# Altium PCB Main.PcbDoc
Units mil, origin at the board's own origin, x right, y up, seen from the top; angles counter-clockwise.
Board outline 2775 x 3680 mil, 2 copper layers (Top Layer, Bottom Layer); 36 components, 27 nets, 122 pads, 52 vias.
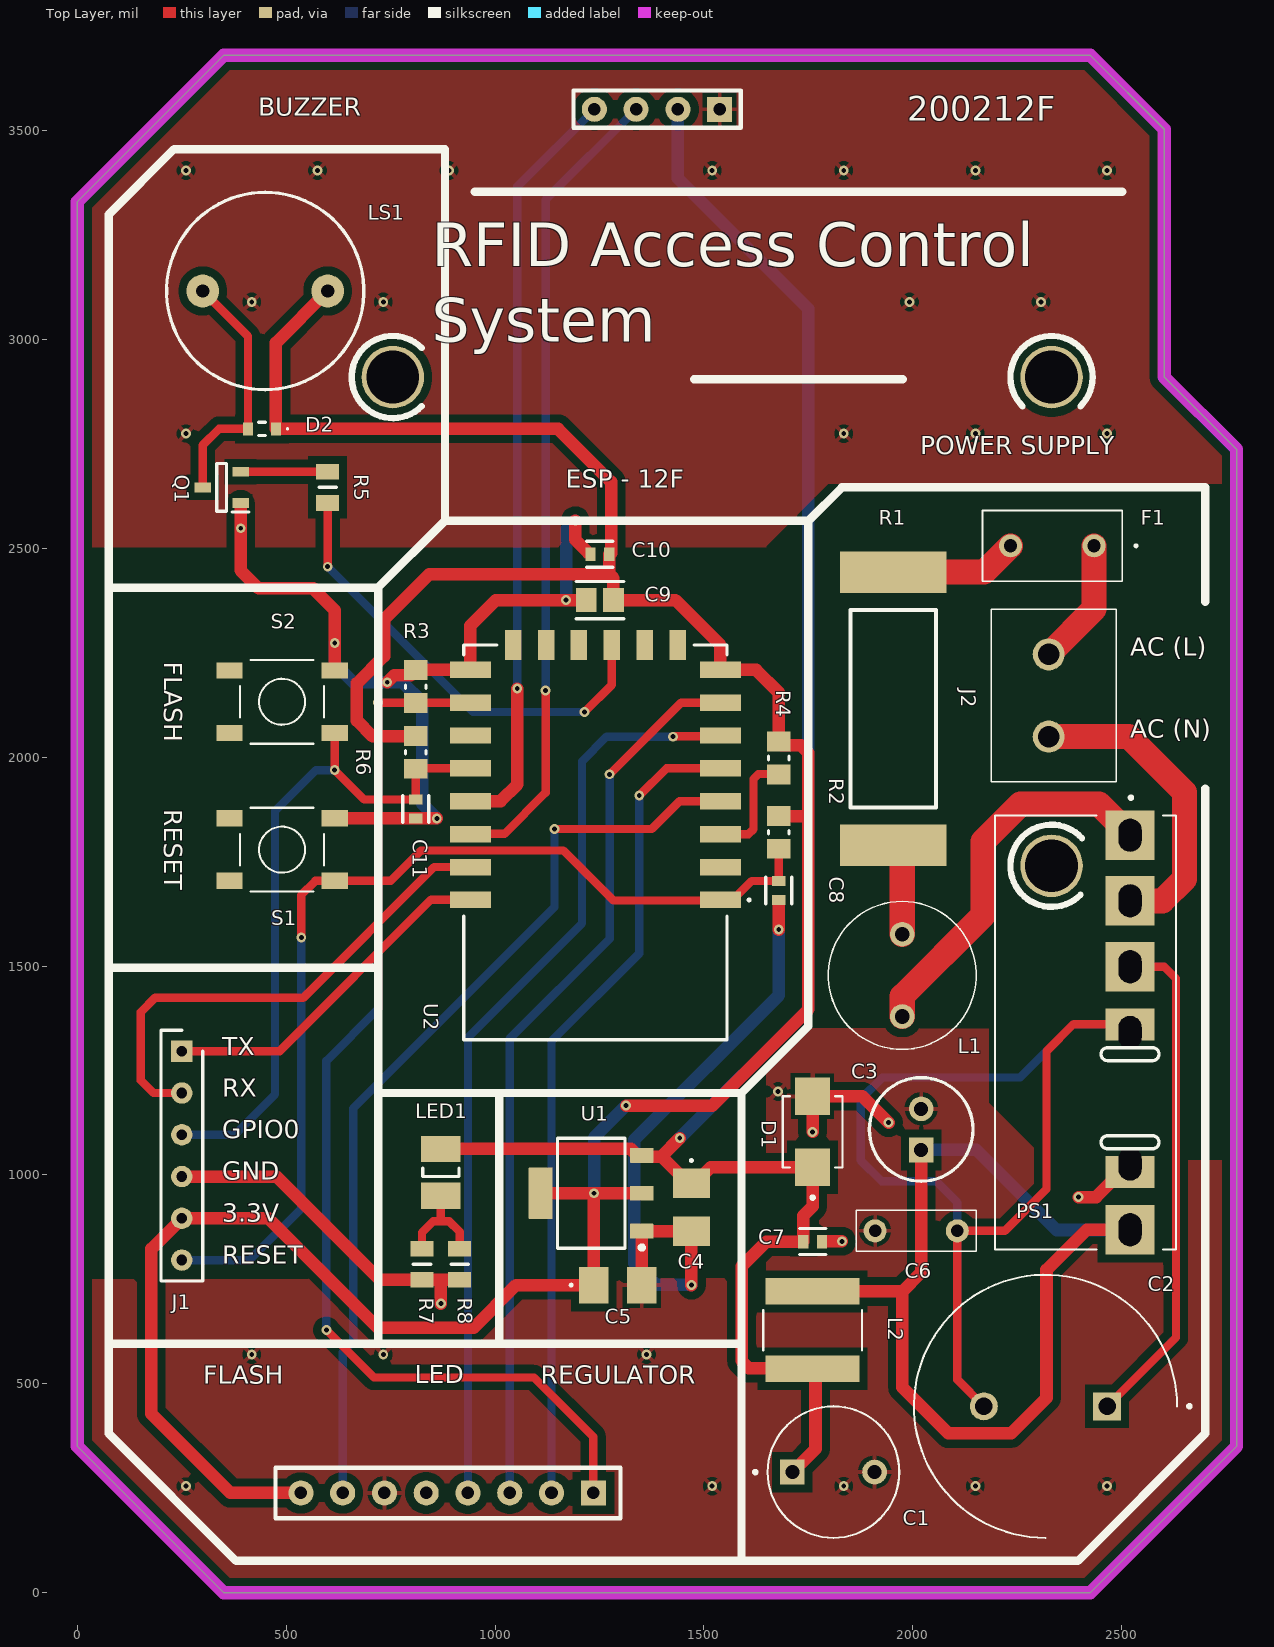
[diagram p0: Top Layer view]
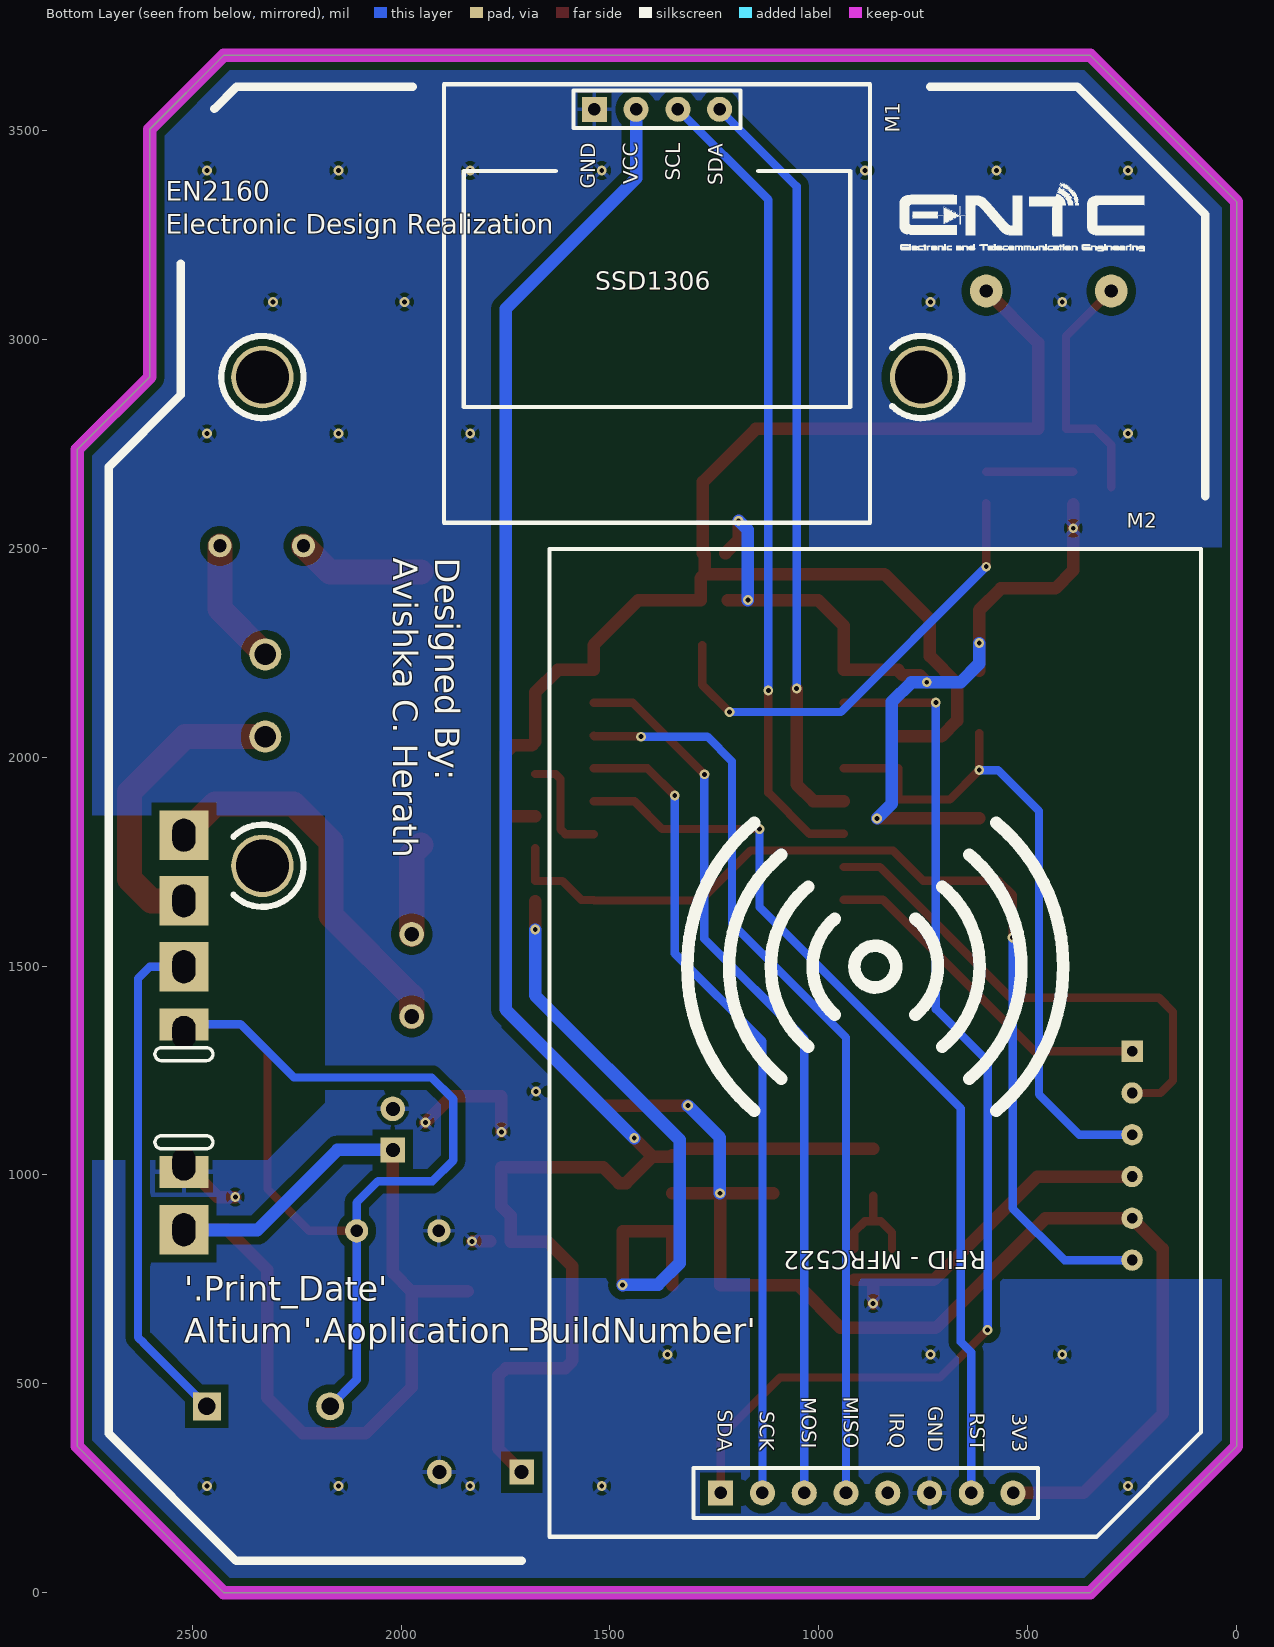
[diagram p1: Bottom Layer view, seen from below]
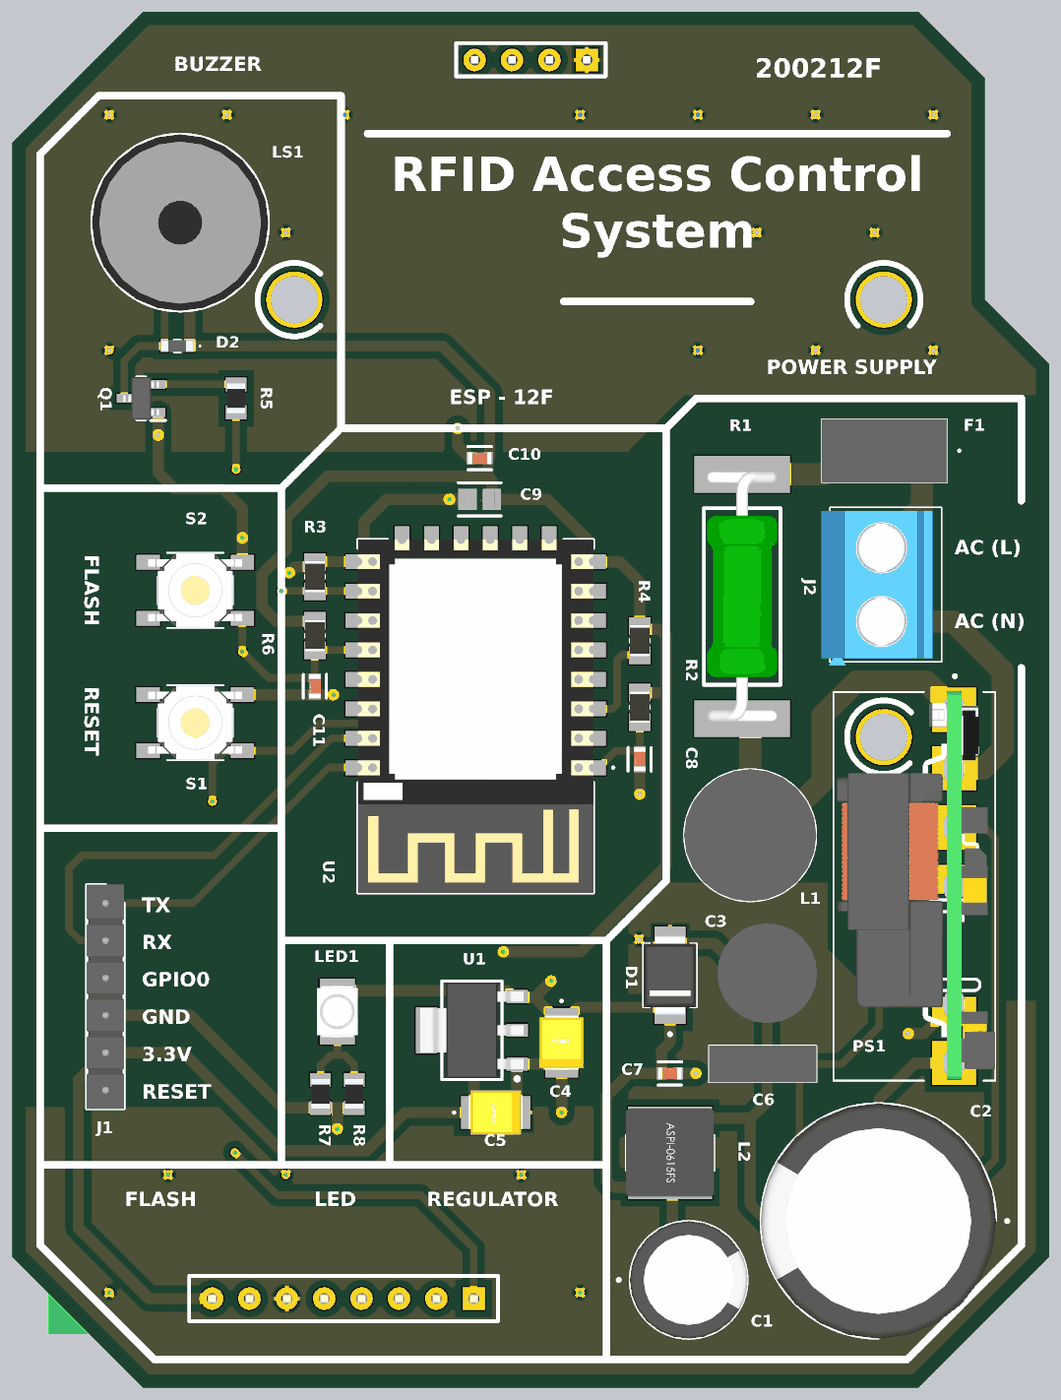
[diagram p2: 3D render of the assembled board from above, using the file's embedded part models]

## Layer stack, top to bottom
Top Solder: solder mask 0.4, Solder Resist, Dk 3.5
Top Layer: signal copper 1.4
Dielectric 1: dielectric 12.6, FR-4, Dk 4.8
Bottom Layer: signal copper 1.4
Bottom Solder: solder mask 0.4, Solder Resist, Dk 3.5

## Board outline
350,0 0,350 0,3330 350,3680 2425,3680 2602,3503 2602,2910 2775,2737 2775,350 2425,0

## Design rules (kind name [scope] priority, off if disabled: settings)
AcuteAngle [All] p1: minimum=7.50000000000000E+0001 checktracksonly=TRUE
Clearance [All] p1: gap=19.68 ignorepadtopadclearanceinfootprint=TRUE except(0: Arc-Hole Track-Hole SMDPad-Hole THPad-Hole Via-Hole Fill-Hole Poly-Hole Region-Hole Text-Hole; 5: Arc-Text Track-Text SMDPad-SMDPad SMDPad-THPad SMDPad-Text THPad-Text Via-Text Fill-Text Poly-Text Region-Text Text-Text; 7.87: Arc-SMDPad Track-SMDPad; 10: Arc-Via Track-Via Via-Via; 12.99: Arc-THPad Track-THPad; 39.37: Poly-Poly)
ComponentClearance IGNORE [InComponentClass('Bottom Side Components') vs InComponentClass('Top Side Components')] p1: gap=0 collisioncheckmode=3 verticalgap=100000 showdistances=FALSE
ComponentClearance ComponentClearance_1 [All] p2: gap=10 collisioncheckmode=3 verticalgap=10 showdistances=FALSE
HoleSize "Via Hole" [IsVia] p1: absolutevalues=TRUE maxlimit=23.62 minlimit=11.81 maxpercent=80.000 minpercent=20.000
HoleSize [All] p2: absolutevalues=TRUE maxlimit=248.03 minlimit=15.75 maxpercent=80.000 minpercent=20.000
HoleToHoleClearance [All] p1: gap=19.68 allowstackedmicrovias=TRUE
MinimumAnnularRing NPTH [InComponent('PS1')] p1: minimumring=0
MinimumAnnularRing Via [IsVia] p2: minimumring=5.51
MinimumAnnularRing [All] p3: minimumring=11.81
MinimumSolderMaskSliver [All] p1: minsoldermaskwidth=4.88
PolygonConnect [All] p1: thpad.connectstyle=Relief thpad.reliefconductorwidth=10 thpad.reliefentries=4 thpad.polygonreliefangle="90 Angle" thpad.airgapwidth=10 smdpad.connectstyle=Relief smdpad.reliefconductorwidth=10 smdpad.reliefentries=4 smdpad.polygonreliefangle="90 Angle" smdpad.airgapwidth=10 via.connectstyle=Relief via.reliefconductorwidth=10 via.reliefentries=4 via.polygonreliefangle="45 Angle" via.airgapwidth=10
RoutingVias [All] p1: holewidth=11.81 width=23.62 viastyle="Through Hole" minholewidth=11.81 minwidth=19.68 maxholewidth=28 maxwidth=50
SilkToSolderMaskClearance [IsPad] p1: minsilkscreentomaskgap=5 clearancetoexposedcopper=TRUE
SolderMaskExpansion [All] p1: expansion=4 istentingtop=FALSE
UnRoutedNet [All] p1: checkbadconnections=TRUE
Width AC [InNetClass('AC')] p1: maxlimit=60 minlimit=60 preferedwidth=60
Width V_out [InNetClass('V_out')] p2: maxlimit=30 minlimit=30 preferedwidth=30
Width [All] p3: maxlimit=30 minlimit=10 preferedwidth=20
24 further rules are at their usual default settings.

## Classes and differential pairs
net class V_out: +3.3V +5V NetC3_1
net class AC: "AC (L)" "AC (N)" NetF1_2 NetL1_1 NetL1_2

## Components (designator, comment, footprint, x,y, rotation, side; value= is the part's Value field where it differs from the comment)
C1 "150uF" CAPPRD500W60D800H1150 1810,288.52 r0 top
C2 "22uF" CAPPRD750W80D1600H2500 2317.64,446 r180 top
C3 "270uF" CAPPRD250W65D630H900 2020,1059.63 r90 top
C4 "10uF" T491B 1470,922.93 r270 top
C5 "10uF" T491B 1293.58,736 r0 top
C6 "1nF" B32529C8102J 2106.49,866 r180 top
C7 "0.1uF" FP-CL10-0_1-MFG 1760,840.41 r180 top value=100nF
C8 "0.1uF" FP-CL10-0_1-MFG 1679,1680.84 r270 top value=100nF
C9 "10uF" FP-CL21-IPC_B 1250.8,2376 r180 top
C10 "100nF" FP-CL10-0_1-MFG 1250.8,2486 r180 top
C11 "0.1uF" FP-CL10-0_1-MFG 810,1876 r270 top value=100nF
D1 "SMBJ7.0A" DIOM4336X265N 1760,1103.06 r90 top
D2 "RB501SM" RB501SM30FHT2R 441.76,2786 r270 top
F1 "1A" SS5H1AAPH 2433.96,2506 r180 top
J1 "FLASH" HDRV6W46P0X254_1X6_1524X254X452P 250,1296 r270 top
J2 "POWER" TB00250002BE 2325.3,2246 r270 top
L1 "1.2mH" RLB9012122KL 1974.6,1576 r270 top
L2 "4.7uH" IND_ASPI-0615FS-4R7M-T2 1760,628.52 r270 top
LED1 "BLUE - 3.2V" 3528 870,1006 r90 top
LS1 "MAGNETIC BUZZER" CMI1295IC0385T 300,3116 r270 top
M1 "SSD1306 OLED (128x64)" "SSD1306 OLED (128x64)-Footprint-1" 1387.5,3086 r180 bottom
M2 "RFID - RC522" "RFID - RC522-Footprint-1" 1235,238.54 r0 bottom
PS1 "PBO-3C-5" CONV_PBO-3C-5 2520,1340.96 r270 top
Q1 "BC848B" SOT95P240X120-3N 345.28,2646 r180 top
R1 "12R" WA84-12RJI-Footprint-1 1953.01,2116 r270 top
R2 "10K" RESC2013X60X35ML10T20 1679,1820 r270 top
R3 "10K" RESC2013X60X35ML10T20 810,2169.03 r90 top
R4 "10K" RESC2013X60X35ML10T20 1679,1998 r270 top
R5 "330R" RESC2012X60N 599.21,2646 r270 top
R6 "10K" RESC2013X60X35ML10T20 810,2011.55 r90 top
R7 "180R" RESC2012X60N 825,786 r90 top
R8 "180R" RESC2012X60N 915,786 r90 top
S1 "RESET" SW_PTS525SM15SMTR2LFS 490,1778.56 r180 top
S2 "FLASH" SW_PTS525SM15SMTR2LFS 490,2132.61 r180 top
U1 "LM1117-3.3" DCY0004A_L 1230,956 r180 top
U2 "ESP-12F" esp12f 1240,1796 r180 top

## Footprints (in the part's own frame and the unit in brackets; to place one, negate y for a bottom-side part, rotate by r counter-clockwise, add the part's x,y. Pads: shape width x height; smd on the part's side, far side on the other; paste and mask are expansions set on the pad)
3528 [mm] "Chip LED, 2-Leads, Body 3.5x2.8mm, IPC Medium Density"
  rect 1.6x2.4 smd: 1(-1.425,0) 2(1.425,0)
  silkscreen extent -0.25,-1.1 0.25,1.1, body extent -1.75,-1.4 1.75,1.4, height 1.85
B32529C8102J [mm]
  round 1.4 hole 0.75: 1(0,0) 2(5,0)
  silkscreen extent -1.15,-1.25 6.15,1.25, body extent -1.15,-1.25 6.15,1.25, height 6.6
CAPPRD250W65D630H900 [mm]
  rect 1.5x1.5 hole 0.85: 1(0,0)
  round 1.5 hole 0.85: 2(2.5,0)
  silkscreen extent -1.9,-3.15 4.4,3.15, body extent -2.14,-3.4 4.65,3.4, height 9
CAPPRD500W60D800H1150 [mm]
  round 1.5 hole 0.85: N(2.5,0)
  rect 1.5x1.5 hole 0.85: P(-2.5,0)
  silkscreen extent -4.85,-4 4,4, body extent -4,-3.99 4,3.99, height 11.5
CAPPRD750W80D1600H2500 [mm]
  round 1.7 hole 1.05: N(3.75,0)
  rect 1.7x1.7 hole 1.05: P(-3.75,0)
  silkscreen extent -8.85,-8 8,8, body extent -7.98,-7.99 8,7.99, height 25
CMI1295IC0385T [mm]
  round 2 hole 0.8: 1(0,0) 2(0,7.6)
  silkscreen extent -6,-2.2 6,9.8, body extent -5.99,-2.2 5.99,9.8, height 9.7
CONV_PBO-3C-5 [mm]
  rect 3x3 hole 1.4 slot 2 at 0 deg: 1(-12,0) 2(-8,0) 3(-4,0) 6(12,0)
  rect 0.3x0.3 smd paste-1 mask+0: 4(-1.3,0) 5(9.3,0)
  rect 1.935x3 hole 1.4 slot 2 at 0 deg unplated copper offset -0.483,0: 4(0,0)
  rect 0.3x0.3 smd far side paste-1 mask+0: 4_2(-1.3,0) 5_2(9.3,0)
  rect 1.935x3 hole 1.4 slot 2 at 0 deg unplated copper offset 0.483,0: 5(8,0)
  silkscreen extent -14.38,-8.2 13.2,2.8, body extent -13.28,-7.95 13.16,2.8, height 12.57
DCY0004A_L [mm] "SOT223, 4-Leads, Body 6.7x3.7mm, Pitch 2.3mm, IPC High Density"
  rrect11% 1.45x0.9 smd: 1(-3.075,2.3) 2(-3.075,0) 3(-3.075,-2.3)
  rrect7% 1.45x3.15 smd: 4(3.075,0)
  silkscreen extent -3.2,-3.35 2.05,3.42, body extent -3.5,-3.25 3.5,3.25, height 1.62
DIOM4336X265N [mm]
  rect 2.28x2.12 smd: A(2.165,0) C(-2.165,0)
  silkscreen extent -4.1,-1.81 2.16,1.81, body extent -2.72,-1.78 2.72,1.78, height 2.46
esp12f [mm]
  rect 2.5x1 smd: 1(-7.6,3.5) 2(-7.6,1.5) 3(-7.6,-0.5) 4(-7.6,-2.5) 5(-7.6,-4.5) 6(-7.6,-6.5) 7(-7.6,-8.5) 8(-7.6,-10.5) 15(7.6,-10.5) 16(7.6,-8.5) 17(7.6,-6.5) 18(7.6,-4.5) 19(7.6,-2.5) 20(7.6,-0.5) 21(7.6,1.5) 22(7.6,3.5)
  rect 1x1.8 smd: 9(-5,-12) 10(-3,-12) 11(-1,-12) 12(1,-12) 13(3,-12) 14(5,-12)
  silkscreen extent -9.4,-12 8,12, body extent -8,-12 8,12, height 3.1
FP-CL10-0_1-MFG [mm]
  rect 0.625x0.825 smd paste+0 mask+0: 1(-0.575,0) 2(0.575,0)
  silkscreen extent -0.8,-0.79 0.8,0.79, body extent -0.99,-0.55 0.99,0.55, height 0.25
FP-CL21-IPC_B [mil]
  rect 49.4x57.33 smd paste+0 mask+0: 1(-32.51,0) 2(32.51,0)
  silkscreen extent -57,-44 57,44, body extent -67,-39 67,39, height 10
HDRV6W46P0X254_1X6_1524X254X452P [mm]
  rect 1.3x1.3 hole 0.65: 1(0,0)
  round 1.3 hole 0.65: 2(2.54,0) 3(5.08,0) 4(7.62,0) 5(10.16,0) 6(12.7,0)
  silkscreen extent -1.27,-1.27 13.97,1.27, body extent -1.27,-1.27 13.97,1.27, height 4.52
IND_ASPI-0615FS-4R7M-T2 [mm]
  rect 1.6x5.7 smd: 1(-2.35,0) 2(2.35,0)
  silkscreen extent -1.23,-3 1.23,3, body extent -3,-3 3,3, height 1
RB501SM30FHT2R [mm]
  rect 0.8x0.6 smd: 1(0,0.85) 2(0,-0.85)
  silkscreen extent -0.4,-0.2 0.4,1.6, body extent -0.4,-1.09 0.4,1.09, height 0.7
RESC2012X60N [mm]
  rect 0.95x1.4 smd: 1(-0.95,0) 2(0.95,0)
  silkscreen extent 0,-0.53 0,0.53, body extent -1,-0.63 1,0.63, height 0.6
RESC2013X60X35ML10T20 [mm] "Chip Resistor, 2-Leads, Body 2.1x1.35mm, IPC Low Density"
  rect 1.2x1.45 smd: 1(-1,0) 2(1,0)
  silkscreen extent -0.1,-0.63 0.1,0.63, body extent -1.05,-0.68 1.05,0.67, height 0.6
"RFID - RC522-Footprint-1" [mil]
  rect 60x60 hole 30: 1(0,0)
  round 60 hole 30: 2(-100,0) 3(-200,0) 4(-300,0) 5(-400,0) 6(-500,0) 7(-600,0) 8(-700,0)
  silkscreen extent -1150,-2260 410,105, body extent -1138,-2251 400,95, height 311
RLB9012122KL [mm]
  round 1.5 hole 0.9: 1(0,0) 2(5,0)
  silkscreen extent -2,-4.5 7,4.5, body extent -2,-4.5 7,4.5, height 12.3
SOT95P240X120-3N [mm]
  rect 1x0.6 smd: 1(-1.15,0.95) 2(-1.15,-0.95) 3(1.15,0)
  silkscreen extent -1.65,-1.45 0.3,1.5, body extent -1.2,-1.45 1.2,1.45, height 1.2
SS5H1AAPH [mm]
  round 1.4 hole 0.8: 1(0,0) 2(5.08,0)
  silkscreen extent -2.6,-2.15 6.79,2.15, body extent -1.71,-2.15 6.79,2.15, height 8.65
"SSD1306 OLED (128x64)-Footprint-1" [mil]
  rect 60x60 hole 30: 1(-150,465)
  round 60 hole 30: 2(-50,465) 3(50,465) 4(150,465)
  silkscreen extent -510,-525 510,525, body extent -500,-516 500,516, height 398
SW_PTS525SM15SMTR2LFS [mm]
  rect 1.6x1 smd: 1(-3.2,1.9) 2(3.2,1.9) 3(-3.2,-1.9) 4(3.2,-1.9)
  silkscreen extent -2.55,-2.55 2.55,2.55, body extent -3.2,-2.55 3.2,2.55, height 1.6
T491B [mm]
  rect 1.8x2.23 smd: 1(-1.46,0) 2(1.46,0)
  silkscreen extent -2.88,-0.05 -2.78,0.05, body extent -1.85,-1.5 1.85,1.5, height 2.1
TB00250002BE [mm]
  round 1.95 hole 1.3: 1(0,0) 2(5,0)
  silkscreen extent -2.75,-3.5 7.75,4.1, body extent -2.51,-4.08 7.99,3.52, height 9.99
WA84-12RJI-Footprint-1 [mm]
  rect 2.5x6.5 smd: 1(-8.3,0) 2(8.3,0)
  silkscreen extent -6,-2.6 6,2.6, body extent -8.5,-2.4 8.5,2.4, height 6

## Part data
C1: library part EEUFR1V221B, "FR-A", Package=None, Availability=Unavailable, MF="{'manufacturer': u'Panasonic'}", MP=UHE1V151MPD1TD, Price=None
C2: library part EEUTP1E272B, "Aluminum Electrolytic Capacitors - Radial Leaded", Package=Bulk, Supplier Part Number 1=5201365, Availability=Unavailable, ComponentLink1Description=Mouser, ComponentLink1URL=https://www.mouser.com/ProductDetail/Nichicon/UVR2W220MHD?qs=%252BlpsHQzXjw%2F%252B5drQqN1W8w%3D%3D, MF=Nichicon, MP=UVR2W220MHD, Price=None, Supplier 1=Rs
C3: library part 6SEPC560MW+TSS, "Aluminum Organic Polymer Capacitors", Manufacturer_Name=KEMET, Manufacturer_Part_Number=A750EM277M1CAAE015, Mouser Part Number=667-6SEPC560MW+TSS, Arrow Part Number=6SEPC560MW+TSS, Arrow Price/Stock=https://www.arrow.com/en/products/6sepc560mwtss/panasonic?region=nac, Datasheet Link=http://industrial.panasonic.com/cdbs/www-data/pdf/AAB8000/AAB8000C247.pdf, Height=9mm, Mouser Price/Stock=https://www.mouser.co.uk/ProductDetail/Panasonic/6SEPC560MW%2bTSS?qs=OE1iw1LrrPGkg%2Fufb0Bk8Q%3D%3D
C4 C5: library part T491B106M010AT, "Capacitor Polarised", Manufacturer_Name=KEMET, Mouser Part Number=80-T491B106M010, Arrow Part Number=T491B106M010AT, Arrow Price/Stock=https://www.arrow.com/en/products/t491b106m010at/kemet-corporation?region=nac, Datasheet Link=https://content.kemet.com/datasheets/KEM_T2005_T491.pdf, Height=2.1mm, Manufacturer_Part_Number=T491B106M010AT
C6: library part B32529C8102J, "Capacitor", Manufacturer_Name=TDK, Mouser Part Number=871-B32529C8102J, Datasheet Link=https://componentsearchengine.com/Datasheets/1/B32529C8102J.pdf, Height=6.5mm, Manufacturer_Part_Number=B32529C8102J, Mouser Price/Stock=https://www.mouser.co.uk/ProductDetail/EPCOS-TDK/B32529C8102J?qs=CveI%2FUwZDBKgVtfngCVMDw%3D%3D
C7 C8 C11: library part CMP-13271-000011-1, "CAP CER 0.1UF 50V X7R 0603", Capacitance=100nF, Manufacturer="Samsung Electro-Mechanics America, Inc", Manufacturer Part Number=CL10B104JB8NNNC, Package=CL10-0.1, Temperature="-55°C to +125°C", Temperature Characteristic=X7R, Temperature Coefficient=15%, Temperature Range High=+125°C, Temperature Range Low=-55°C, Tolerance=5%, Voltage Rating=50V, Automotive=No, Category=Cap, ComponentLink2Description=Datasheet, ComponentLink2URL=http://www.samsungsem.com/kr/support/product-search/mlcc/__icsFiles/afieldfile/2019/06/18/CL10B104JB8NNNC-19.pdf, Device Class L1="Passive Components", Device Class L2=Capacitors, Device Class L3="Ceramic Capacitors", Digikey Description="CAP CER 0.1UF 50V X7R 0603", Height=0.9mm, Ipc Land Pattern Name=CAPC16080X80, Lead Free=Yes, Material=Ceramic, Octopart=https://octopart.com/cl10b104jb8nnnc-samsung-9302151, RoHS=TRUE
C9: library part CMP-2000-06102-2, "CL21 Series 0805 10uF 16V ±10% Tolerance X5R Multilayer Ceramic Chip Capacitor", Case Code (Imperial)=0805, Case Code (Metric)=2012, Dielectric=X7R, Max Operating Temperature=85°C, Min Operating Temperature=-55°C, Package Quantity=1, Tolerance=10%, Voltage=16V, Capacitance=10uF, Case/Package=0805, Depth=1.25mm, Height=1.25mm, Lead Free="Lead Free", Length=2mm, Mount="Surface Mount", Packaging="Tape and Reel", Radiation Hardening=No, Thickness=0.055inch, Voltage Rating=16V, Voltage Rating (DC)=16V, Width=0.049inch
C10: library part CMP-13271-000011-1, "CAP CER 0.1UF 50V X7R 0603", Manufacturer="Samsung Electro-Mechanics America, Inc", Manufacturer Part Number=CL10B104JB8NNNC, Package=CL10-0.1, Temperature="-55°C to +125°C", Temperature Characteristic=X7R, Temperature Coefficient=15%, Temperature Range High=+125°C, Temperature Range Low=-55°C, Tolerance=5%, Voltage Rating=50V, Automotive=No, Capacitance=100nF, Category=Cap, ComponentLink2Description=Datasheet, ComponentLink2URL=http://www.samsungsem.com/kr/support/product-search/mlcc/__icsFiles/afieldfile/2019/06/18/CL10B104JB8NNNC-19.pdf, Device Class L1="Passive Components", Device Class L2=Capacitors, Device Class L3="Ceramic Capacitors", Digikey Description="CAP CER 0.1UF 50V X7R 0603", Height=0.9mm, Ipc Land Pattern Name=CAPC16080X80, Lead Free=Yes, Material=Ceramic, Octopart=https://octopart.com/cl10b104jb8nnnc-samsung-9302151, RoHS=TRUE
D1 PS1: Package=None, Availability=Unavailable, Price=None
  D1: MF="{'manufacturer': u'Littelfuse'}", MP=SMBJ7.0A
  PS1: MF="{'manufacturer': u'CUI'}", MP=PBO-3C-5
D2: library part RB501SM-30FHT2R, "Schottky Diode", Manufacturer_Name="ROHM Semiconductor", Mouser Part Number=755-RB501SM-30FHT2R, Datasheet Link=https://fscdn.rohm.com/en/products/databook/datasheet/discrete/diode/schottky_barrier/rb501sm-30fht2r-e.pdf, Height=0.6mm, Manufacturer_Part_Number=RB501SM-30FHT2R, Mouser Price/Stock=https://www.mouser.co.uk/ProductDetail/ROHM-Semiconductor/RB501SM-30FHT2R?qs=4v%252BiZTmLVHEIefGC27iswg%3D%3D
F1: library part CMP-018-000000-1, "Fuse", Arrow Part Number=SS-5H-1A-APH, Manufacturer_Name=Eaton, Mouser Part Number=504-SS-5H-1A-APH, Arrow Price/Stock=https://www.arrow.com/en/products/ss-5h-1a-aph/eaton?region=nac, Component Type=Standard, Datasheet Link=https://www.eaton.com/content/dam/eaton/products/electronic-components/resources/data-sheet/eaton-ss-5h-subminiature-radial-leaded-time-delay-fuses-data-sheet.pdf, Design Item ID=SS-5H-1A-APH, Height=8.55mm, Manufacturer_Part_Number=SS-5H-1A-APH, Mouser Price/Stock=https://www.mouser.co.uk/ProductDetail/Bussmann-Eaton/SS-5H-1A-APH?qs=uEhifBLpbD3ldHjMqFUUYA%3D%3D, Pin Count=2, Source=SamacSys.SchLib
J1: library part BBL-106-T-E, "Connector", Manufacturer_Name=SAMTEC, Mouser Part Number=200-BBL106TE, Arrow Part Number=BBL-106-T-E, Arrow Price/Stock=https://www.arrow.com/en/products/bbl-106-t-e/samtec, Datasheet Link=http://suddendocs.samtec.com/prints/bxx-1xx-x-x-x-mkt1.pdf, Height=4.52mm, Manufacturer_Part_Number=BBL-106-T-E, Mouser Price/Stock=https://www.mouser.co.uk/ProductDetail/Samtec/BBL-106-T-E?qs=0lQeLiL1qyYej%252Bsd3XrHJA%3D%3D
J2: library part TB002-500-02BE, "Connector", Manufacturer_Name="CUI Devices", Mouser Part Number=490-TB002-500-02BE, Arrow Part Number=TB002-500-02BE, Arrow Price/Stock=https://www.arrow.com/en/products/tb002-500-02be/cui-devices?region=nac, Datasheet Link=https://eu.mouser.com/datasheet/2/670/tb002_500-1550579.pdf, Height=10.4mm, Manufacturer_Part_Number=TB002-500-02BE, Mouser Price/Stock=https://www.mouser.co.uk/ProductDetail/CUI-Devices/TB002-500-02BE?qs=vLWxofP3U2x9716kcgva%2Fw%3D%3D
L1: library part RLB9012-122KL, "Inductor", Manufacturer_Name=Bourns, Mouser Part Number=652-RLB9012-122KL, Arrow Part Number=RLB9012-122KL, Arrow Price/Stock=https://www.arrow.com/en/products/rlb9012-122kl/bourns?region=nac, Datasheet Link=https://datasheet.datasheetarchive.com/originals/dk/DKDS-12/225018.pdf, Height=12.2mm, Manufacturer_Part_Number=RLB9012-122KL, Mouser Price/Stock=https://www.mouser.co.uk/ProductDetail/Bourns/RLB9012-122KL?qs=dB0LedT%252BmmC%2Fvhpfl8NA4g%3D%3D
L2: library part ASPI-0615FS-4R7M-T2, Package=None, Availability=Unavailable, MF="{'manufacturer': u'Abracon'}", MP=ASPI-0615FS-4R7M-T2, Price=None
LED1: library part CMP-1429-00005-1, "SMD mono-color Top LED, WL-SMTW, Blue", Color=Blue, Manufacturer="Wuerth Elektronik", PartNumber=150141BS73100, ComponentLink1Description="Manufacturer URL", ComponentLink1URL=http://www.we-online.com, ComponentLink2Description=Datasheet, ComponentLink2URL=http://katalog.we-online.com/led/datasheet/150141BS73100.pdf, PackageReference=3528
LS1: library part CMI-1295IC-0385T, "Loudspeaker or Buzzer", Manufacturer_Name="CUI Devices", Mouser Part Number=490-CMI-1295IC-0385T, Arrow Part Number=CMI-1295IC-0385T, Arrow Price/Stock=https://www.arrow.com/en/products/cmi-1295ic-0385t/cui-devices?region=nac, Datasheet Link=https://www.arrow.com/en/products/cmi-1295ic-0385t/cui-devices, Height=9.7mm, Manufacturer_Part_Number=CMI-1295IC-0385T, Mouser Price/Stock=https://www.mouser.co.uk/ProductDetail/CUI-Devices/CMI-1295IC-0385T?qs=OlC7AqGiEDk2g42uzfEhlg%3D%3D
M1: library part CMP-00026-00001-2, "The OLED display module is a small 0.96\" diagonal display made of individual blue OLED pixels that can be turned on or off by the controller chip. It does not require a backlight and is compatible with I2C communication through the SSD1306 driver chip.", Dimension="27.8 x27.3x 4.3 mm", Interface=I2C, Number of Pixels="128 × 64", Size="0.96\""
M2: library part CMP-00025-00003-1, "A 13.56MHz RF reader module, which use the RC522 IC, plus 2 S50 RFID cards to help you learn and add the 13.56 MHz RF transition to your project.", Operating Frequency="13.56 MHz", Dimensions=40mm×60mm, IC=MFRC522, Interface=I2C,SPI,UART
Q1: library part BC848BHZGT116, "Transistor BJT NPN", Manufacturer_Name="ROHM Semiconductor", Mouser Part Number=755-BC848BHZGT116, Datasheet Link=https://componentsearchengine.com/Datasheets/2/BC848BHZGT116.pdf, Height=1.2mm, Manufacturer_Part_Number=BC848BHZGT116, Mouser Price/Stock=https://www.mouser.co.uk/ProductDetail/ROHM-Semiconductor/BC848BHZGT116?qs=zGux8KhMp6JnZZvroKxywg%3D%3D
R1: library part CMP-009-00177-4, "Through Hole Wirewound Resistor, Wa80 Series, 12 Ohm, 3 W, - 5%, 100 V, Axial Leaded Rohs Compliant: Yes", Case/Package=Axial, Body Diameter=5.2mm, Body Length=14.5mm, Lead Diameter=0.8mm, Lead Length=24.55mm
R2 R3 R4 R6: library part CMP-009-00179-1, "Res Thick Film 0805 10K Ohm 1% 0.125W(1/8W) +/-100ppm/C Epoxy Pad SMD T/R"
R5: library part RC0805FR-07330RL, "Resistor", Manufacturer_Name=KEMET, Mouser Part Number=603-RC0805FR-07330RL, Datasheet Link=http://www.yageo.com/documents/recent/PYu-RC_Group_51_RoHS_L_10.pdf, Height=0.6mm, Manufacturer_Part_Number=RC0805FR-07330RL, Mouser Price/Stock=https://www.mouser.com/Search/Refine.aspx?Keyword=603-RC0805FR-07330RL
R7 R8: library part RC0805FR-07180RL, "Resistor", Manufacturer_Name=KEMET, Mouser Part Number=603-RC0805FR-07180RL, Arrow Part Number=RC0805FR-07180RL, Arrow Price/Stock=https://www.arrow.com/en/products/rc0805fr-07180rl/yageo, Datasheet Link=http://www.yageo.com/documents/recent/PYu-RC_Group_51_RoHS_L_10.pdf, Height=0.6mm, Manufacturer_Part_Number=RC0805FR-07180RL, Mouser Price/Stock=https://www.mouser.co.uk/ProductDetail/Yageo/RC0805FR-07180RL/?qs=fRxXYNj8ftG7jMu9i6mDhQ%3D%3D
S1 S2: library part CMP-035-000000-1, "Tactile Switch SPST-NO Top Actuated Surface Mount", Package="Tactile Switch CK", Availability="In Stock", Check_prices=https://www.snapeda.com/parts/PTS525SM15SMTR2%20LFS/C%2526K/view-part/?ref=eda, Component Type=Standard, Design Item ID=PTS525SM15SMTR2LFS, MF=C&K, MP="PTS525SM15SMTR2 LFS", Pin Count=4, Price=None, Purchase-URL="https://pricing.snapeda.com/search/part/PTS525SM15SMTR2 LFS/?ref=eda", SnapEDA_Link=https://www.snapeda.com/parts/PTS525SM15SMTR2%20LFS/C%2526K/view-part/?ref=snap, Source=PTS525SM15SMTR2LFS.SchLib
U1: library part CMP-0062-01639-4, "800mA Low-Dropout Linear Regulator, 4-pin SOT-223, Pb-Free", Manufacturer="Texas Instruments", PackageTopMarking=XYTT*N05A, PartNumber=LM1117MPX-3.3/NOPB, PowerWise=N, Code_IPC=SOT223-4, Code_JEDEC=TO-261-AA, ComponentLink1Description="Datasheet URL", ComponentLink1URL=http://www.ti.com/general/docs/lit/getliterature.tsp?genericPartNumber=LM1117-N&fileType=pdf, CompType="LDO IC", High-Reliability=Y, PackageDescription="Molded SOT-223, 6.50 x 3.56 x 1.6mm Body, 4 Lead, 2.3mm Pitch", PackageReference=DCY0004A, PinCount=4, RoHS=Y
U2: "Integrated Circuit", Manufacturer_Name=Ai-Thinker, Datasheet Link=https://docs.ai-thinker.com/_media/esp8266/docs/esp-12f_product_specification_en.pdf, Height=3.1mm, Manufacturer_Part_Number=ESP-12F

## Free pads (board coordinates)
  round 149.61 hole 125.98: H1(755,2910) H2(2332,2910) H3(2332,1740)

## Via types
v1: diameter 23.62, hole 11.81, Top Layer to Bottom Layer, 52 vias

## Nets (pads, with @x,y where several pads share a name; then routed paths per layer and width w, separated by ;. In a path a pad name is that pad's centre, name@x,y a point inside that pad or via, vN(x,y) a via of type N, cw(c..) or ccw(c..) an arc to the next point about the centre after c; other vN are vias at no path point)
+3.3V: C5.1 C9.1 C10.1 D2.1 J1.5 LS1.2 M2.8 R2.1 R4.1 R6.2 U1.2 U1.4 U2.8 | length 7248.5
  Top Layer w30: M2.8 366.46,238.54 177,428 177,823 J1.5 458,896 720,634 948.33,634 1050.33,736 C5.1 1236.1,955.1 v1(1237,956) ; LS1.2 475.23,2992.02 D2.1 1151,2786 1277.68,2659.32 1277.68,2488.8 1274.89,2486 C10.1 ; R6.2@810,2049.94 809.94,2050 706.81,2050 669,2087.81 669,2176.9 734,2241.9 734,2329 842.92,2437.92 1273.43,2437.92 ; U1.4 v1(1237,956) ; C10.1@1273.43,2483.17 1273.43,2437.92 ; C9.1@1283.31,2375.89 1431.75,2375.89 1539.21,2268.43 U2.8 1539.6,2209 1625,2209 1679,2155 1679,2036.39 1687.3,2028.09 1732.43,2028.09 1750,2010.51 1750,1860 ; C9.1 1283,2376.31 1283,2428.35 1273.43,2437.92 ; v1(1313.57,1165.86) 1519.86,1165.86 1750,1396 1750,1860 ; U1.2 v1(1237,956) ; R2.1@1679,1858.39 1748.39,1858.39 1750,1860
  Bottom Layer w30: v1(1237,956) 1237,1089.29 v1(1313.57,1165.86)
+5V: C1.P C4.1 C7.2 D1.C L2.2 LED1.2 M1.2 U1.3 | length 4752.4
  Top Layer w30: LED1.2 1324.69,1062.1 1340.24,1046.55 U1.3 1353.78,1043.83 1398.11,1043.83 ; v1(1442,1088) 1442,1087.72 1398.11,1043.83 ; C1.P 1767,343.94 1767,519.5 1749.5,537 1607.57,537 1590,554.57 1590,781 1649.41,840.41 C7.2 1737.36,902.13 1760,924.77 D1.C 1515.88,1017.83 1478.46,980.41 C4.1 1461.54,980.41 1398.11,1043.83
  Bottom Layer w30: M1.2 1437.5,3385.5 1750,3073 1750,1396 v1(1442,1088)
"AC (L)": F1.1 J2.1 | length 305
  Top Layer w60: J2.1 2433.96,2354.66 F1.1
"AC (N)": J2.2 PS1.2 | length 739
  Top Layer w60: J2.2 2516.85,2049.15 2650,1916 2650,1708.68 2597.25,1655.92 PS1.2
GND: C1.N C3.2 C4.2 C5.2 C6.2 C7.1 C8.2 C9.2 C10.2 C11.2 D1.A J1.4 M1.1 M2.6 PS1.5 PS1.5_2 Q1.1 R3.2 R7.1 R8.1 S1.3 S2.3 U1.1 U2.15 | length 5170.9
  Top Layer w30: J1.4 477,996 724.4,748.6 R7.1 870,748.6 ; Q1.1@391,2605.41 v1(391,2548) 391,2447 434,2404 564,2404 616,2352 v1(616,2273) S2.3 ; S1.3 C11.2 ; v1(741.68,2179.32) 758.2,2195.84 798.43,2195.84 R3.2@810,2207.42 ; R3.2@810,2209.39 U2.15 940.79,2314.79 1002,2376 v1(1170,2376) ; C11.2@811.24,1853.41 v1(860.41,1853.41) ; v1(870,692) 870,748.6 ; R8.1 870,748.6 ; v1@1171,2376 C9.2 ; v1(1192,2566) 1192,2520 C10.2@1223.5,2488.5 ; C5.2 U1.1 C4.2 v1(1470,736) ; v1(1679,1587) C8.2@1679,1655.51 ; v1(1760,1103) D1.A 1878.7,1188.3 v1(1942,1125) ; C7.1@1787.13,841 v1(1830,841) ; v1(2397,947) 2439.03,947 2518.03,1026 PS1.5@2520,1026
  Bottom Layer w30: v1(616,2273) 616,2224 660.68,2179.32 v1(741.68,2179.32) 778.68,2179.32 825,2133 825,1888.82 v1(860.41,1853.41) ; v1(1170,2376) 1170,2544 v1(1192,2566) ; v1(1470,736) 1469,737 1385,737 1333,789 1333,1084 1679,1430 v1(1679,1587)
  other v1: 259.84,254.84 1519.68,254.84 1834.65,254.84 2149.61,254.84 2464.57,254.84 417.32,569.8 732.28,569.8 1362.2,569.8 1677.17,1199.72 259.84,2774.53 1834.65,2774.53 2149.61,2774.53 2464.57,2774.53 417.32,3089.49 732.28,3089.49 1992.13,3089.49 2307.09,3089.49 259.84,3404.45 574.8,3404.45 889.76,3404.45 1519.68,3404.45 1834.65,3404.45 2149.61,3404.45 2464.57,3404.45
GPIO0: C11.1 J1.3 R6.1 S2.1 U2.18 | length 1642.2
  Top Layer w20: S2.1 v1(615.98,1969.02) 686.36,1898.64 C11.1 810,1973.17 U2.18
  Bottom Layer w20: J1.3 376.35,1096 473,1192.65 473,1871 571.02,1969.02 v1(615.98,1969.02)
GPIO4: M1.4 U2.19 | length 1821.4
  Top Layer w30: U2.19 941.24,1894.88 1012.88,1894.88 1053,1935 v1(1053,2164)
  Bottom Layer w20: v1(1053,2164) 1053,3366.5 M1.4
GPIO5: M1.3 U2.20 | length 1946.8
  Top Layer w20: U2.20@940.79,1816.31 1022.31,1816.31 1121,1915 v1(1121,2160)
  Bottom Layer w20: v1(1121,2160) 1121,3334.5 M1.3
GPIO9: R5.2 U2.11 | length 1099.1
  Top Layer w20: v1(599.23,2455.94) R5.2 ; v1(1214,2108) 1279.37,2173.37 U2.11
  Bottom Layer w20: v1(599.23,2455.94) 947.16,2108 v1(1214,2108)
GPIO12: M2.4 U2.6 | length 2221.4
  Top Layer w20: v1(1426,2049) 1427.45,2050.45 1537.76,2050.45 U2.6
  Bottom Layer w20: M2.4 935,1329 1208,1602 1208,1990 1267,2049 v1(1426,2049)
GPIO13: M2.3 U2.7 | length 2155.8
  Top Layer w20: v1(1274,1959) 1445.65,2130.65 U2.7
  Bottom Layer w20: M2.3 1035,1326 1274,1565 v1(1274,1959)
GPIO14: M2.2 U2.5 | length 1977.7
  Top Layer w20: v1(1345,1908) 1410.17,1973.17 U2.5
  Bottom Layer w20: M2.2 1135,1320 1345,1530 v1(1345,1908)
GPIO15: M2.1 R3.1 U2.16 | length 2653.3
  Top Layer w20: v1(596,629) 710,515 1093,515 1235,373 M2.1 ; v1(720,2130.65) 810,2130.65 U2.16
  Bottom Layer w20: v1(596,629) 596,1272.89 720,1396.89 v1(720,2130.65)
GPIO16: M2.7 U2.4 | length 2224.2
  Top Layer w20: v1(1142,1828) 1375,1828 1441.43,1894.43 U2.4
  Bottom Layer w20: M2.7 635,575 660,600 660,1159 1142,1641 v1(1142,1828)
NetC2_N: C2.N C6.1 PS1.4 PS1.4_2 | length 2927.7
  Top Layer w20: C2.N 2106.49,509.51 C6.1 2220,866 2320,966 2320,1296 2385,1361 2499.96,1361 PS1.4@2520,1340.96
  Bottom Layer w20: C2.N 2106.49,509.51 C6.1 2106.49,933.51 2055,985 1925,985 1875,1035 1875,1181 1927,1233 2257,1233 2385,1361 2499.96,1361 PS1.4@2520,1340.96
NetC2_P: C2.P PS1.3 | length 2428
  Top Layer w20: C2.P 2630,610.72 2630,1470 2601.56,1498.44 PS1.3
  Bottom Layer w20: C2.P 2616,596.72 2616,597 2630,611 2630,1470 2601.56,1498.44 PS1.3
NetC3_1: C3.1 L2.1 PS1.6 | length 2273.9
  Top Layer w30: L2.1@1840,721.04 1974.96,721.04 ; C3.1 2020,766.08 1974.96,721.04 ; PS1.6 2415.94,868.52 2320,772.57 2320,466 2235,381 2085,381 1974.96,491.04 1974.96,721.04
  Bottom Layer w30: C3.1 2152.37,1059.63 2344,868 2519.48,868 PS1.6
NetD2_2: D2.2 LS1.1 Q1.3 | length 600.3
  Top Layer w20: Q1.3 300,2747 339,2786 D2.2 408.3,3007.7 LS1.1
NetF1_2: F1.2 R1.1 | length 307.1
  Top Layer w60: R1.1 2170.73,2442.77 F1.2
NetL1_1: L1.1 R1.2 | length 222.2
  Top Layer w60: R1.2 1974.6,1767.64 L1.1
NetL1_2: L1.2 PS1.1 | length 919.1
  Top Layer w60: L1.2 1974.6,1427.6 2168,1621 2168,1798 2258,1888 2445.4,1888 PS1.1
NetLED1_1: LED1.1 R7.2 R8.2 | length 246.8
  Top Layer w20: R7.2 825,862 850,887 ; 852,889 870,889 ; LED1.1 870,889 ; R8.2 915,862 ; 915,864 890,889 870,889
NetQ1_2: Q1.2 R5.1 | length 208.7
  Top Layer w20: Q1.2 R5.1
NetR4_2: R4.2 U2.3 | length 270
  Top Layer w20: U2.3 1606.74,1815.68 1618.46,1827.4 1618.46,1947.9 1630.17,1959.61 R4.2@1679,1959.61
RST: C8.1 J1.6 R2.2 S1.1 U2.1 | length 2420.7
  Top Layer w20: v1@535.76,1568.24 535.76,1669.76 569.47,1703.47 ; 569.47,1703.76 S1.1@615.5,1703.76 ; S1.1 749.76,1703.76 822.63,1776.63 1163.37,1776.63 1283,1657 1538.01,1657 U2.1 1568.74,1658.2 1614.02,1703.48 C8.1 R2.2@1679,1781.61
  Bottom Layer w20: J1.6 412,796 536,920 v1(536,1568)
RX: J1.2 U2.21 | length 1206.9
  Top Layer w20: J1.2 182,1196 152,1226 152,1390 186,1424 541,1424 853.94,1736.94 U2.21
TX: J1.1 U2.22 | length 841.5
  Top Layer w20: J1.1 484,1296 847,1659 939.99,1659 U2.22
pads on no net: M2.5 S1.2 S1.4 S2.2 S2.4 U2.2 U2.9 U2.10 U2.12 U2.13 U2.14 U2.17

## Polygon pours and split planes (outlines as drawn)
GND on Bottom Layer "GND_L02_P001" (solid, remove dead copper, pour order 1): 0,0 0,3680 2775,3680 2775,0
GND on Top Layer "GND_L01_P004" (solid, remove dead copper, pour order 4): 0,0 0,3680 2775,3680 2775,0

## Keep-outs
Keep-Out Layer:
  the board outline again, w32

## Other copper
Top Layer:
  pour cut-out: 2744,1349.28 2744,2654 1798,2654 1649,2505 1649,1351.28
Multi-Layer:
  pour cut-out: 2182,1861 2182,1173 2320,1035 2744,1035 2744,1861
  pour cut-out: 710,1186 1594,1186 1760,1352 1760,1751 710,1751
  pour cut-out: 1649,753 1649,2503 35,2503 35,750

## Silkscreen, mask and mechanical layers (free items; w line width, h text height)
Top Overlay:
  lines w8: 2466,1062.5 cw(c2466,1078) 2466,1093.5 2574,1093.5 cw(c2574,1078) 2574,1062.5 2466,1062.5 ; 2466,1273.5 cw(c2466,1289) 2466,1304.5 2574,1304.5 cw(c2574,1289) 2574,1273.5 2466,1273.5
  lines w10: 474,178 1300,178 1300,299 474,299 474,178 ; 1188,3507 1588,3507 1588,3596 1188,3596 1188,3507
  lines w15: 824.6,2840.4 cw(c755,2910) 824.6,2979.6 ; 2262.4,2840.4 cw(c2332,2910) 2401.6,2840.4 ; 2401.6,1670.4 cw(c2332,1740) 2405.14,1805.86
  lines w20: 720,1496 75,1496 ; 951,3354 2501,3354 ; 1476,2905 1976,2905 ; 1590,596 1010,596 ; 2700,1925.13 2700,381 2395,76 1590,76 ; 2700,2371.98 2700,2646 1830,2646 1750,2566 ; 75,596 75,381 380,76 1590,76 ; 75,596 75,1496 ; 75,596 720,596 ; 75,1496 75,2406 ; 75,2406 75,3299 231.5,3455.5 880,3455.5 880,2566 ; 75,2406 380,2406 720,2406 ; 720,596 1010,596 ; 720,596 720,1196 ; 720,1196 720,2406 ; 720,1196 1010,1196 ; 720,2406 880,2566 ; 880,2566 1750,2566 ; 1010,596 1010,1196 ; 1010,1196 1590,1196 ; 1590,76 1590,146 1590,1196 ; 1590,1196 1750,1356 1750,2566
  text "BUZZER" at 432.84,3521.34 h75
  text "200212F" at 1987,3504.68 h100
  text "RFID Access Control / System" at 848.05,2960 h180
  text "POWER SUPPLY" at 2018.04,2711.34 h75
  text "ESP - 12F" at 1169.54,2631.2 h75
  text "AC (L)" at 2521.01,2228.65 h75
  text "FLASH" at 193.83,2228.46 h75 r270
  text "AC (N)" at 2521.01,2031.8 h75
  text "RESET" at 193.83,1875.68 h75 r270
  text "TX" at 347,1272.58 h75
  text "RX" at 347,1172.58 h75
  text "GPIO0" at 347,1073.55 h75
  text "GND" at 347,973.55 h75
  text "3.3V" at 347,873.55 h75
  text "RESET" at 347,773.41 h75
  text "FLASH" at 301.66,485.62 h75
  text "LED" at 807.92,486.45 h75
  text "REGULATOR" at 1109.39,485.48 h75
Bottom Overlay:
  drawing of 108 lines, arcs and shapes, not listed
  text "EN2160 / Electronic Design Realization" at 2563,3237 h80
  text "Designed By: / Avishka C. Herath" at 2038,2477.69 h100 r90
  text "'.Print_Date' / Altium '.Application_BuildNumber'" at 2519.31,579 h100

## Text inside footprints (layer, text, board x,y; h text height)
M1: Bottom Overlay "SSD1306" at 1535,3104.97 h75; Bottom Overlay "SDA" at 1218.17,3369.21 h60 r270; Bottom Overlay "SCL" at 1319.83,3380.04 h60 r270; Bottom Overlay "VCC" at 1421.55,3372.16 h60 r270; Bottom Overlay "GND" at 1523.28,3361 h60 r270
M2: Bottom Overlay "3V3" at 549.22,427.75 h60 r90; Bottom Overlay "RST" at 650.05,429.97 h60 r90; Bottom Overlay "GND" at 750.65,445.51 h60 r90; Bottom Overlay "IRQ" at 841.87,430.24 h60 r90; Bottom Overlay "MISO" at 952.08,468.54 h60 r90; Bottom Overlay "MOSI" at 1052.79,467.87 h60 r90; Bottom Overlay "SCK" at 1153.56,433.96 h60 r90; Bottom Overlay "SDA" at 1254.33,437.29 h60 r90; Bottom Overlay "RFID - MFRC522" at 599,832.03 h75 r180